# Altium PCB HV_DAC_8ch-DIOT.PCBDOC (part 6 of 11)
Units mm, origin at the board's own origin, x right, y up, seen from the top; angles counter-clockwise.
Board outline 222.63 x 100.1 mm, 8 copper layers (L1, L2, L3, P4, L5, L6, P7, L8), stack 1.563 mm thick; 971 components, 607 nets, 3066 pads, 1424 vias.
Unrouted connection lines stored in the file: 1.
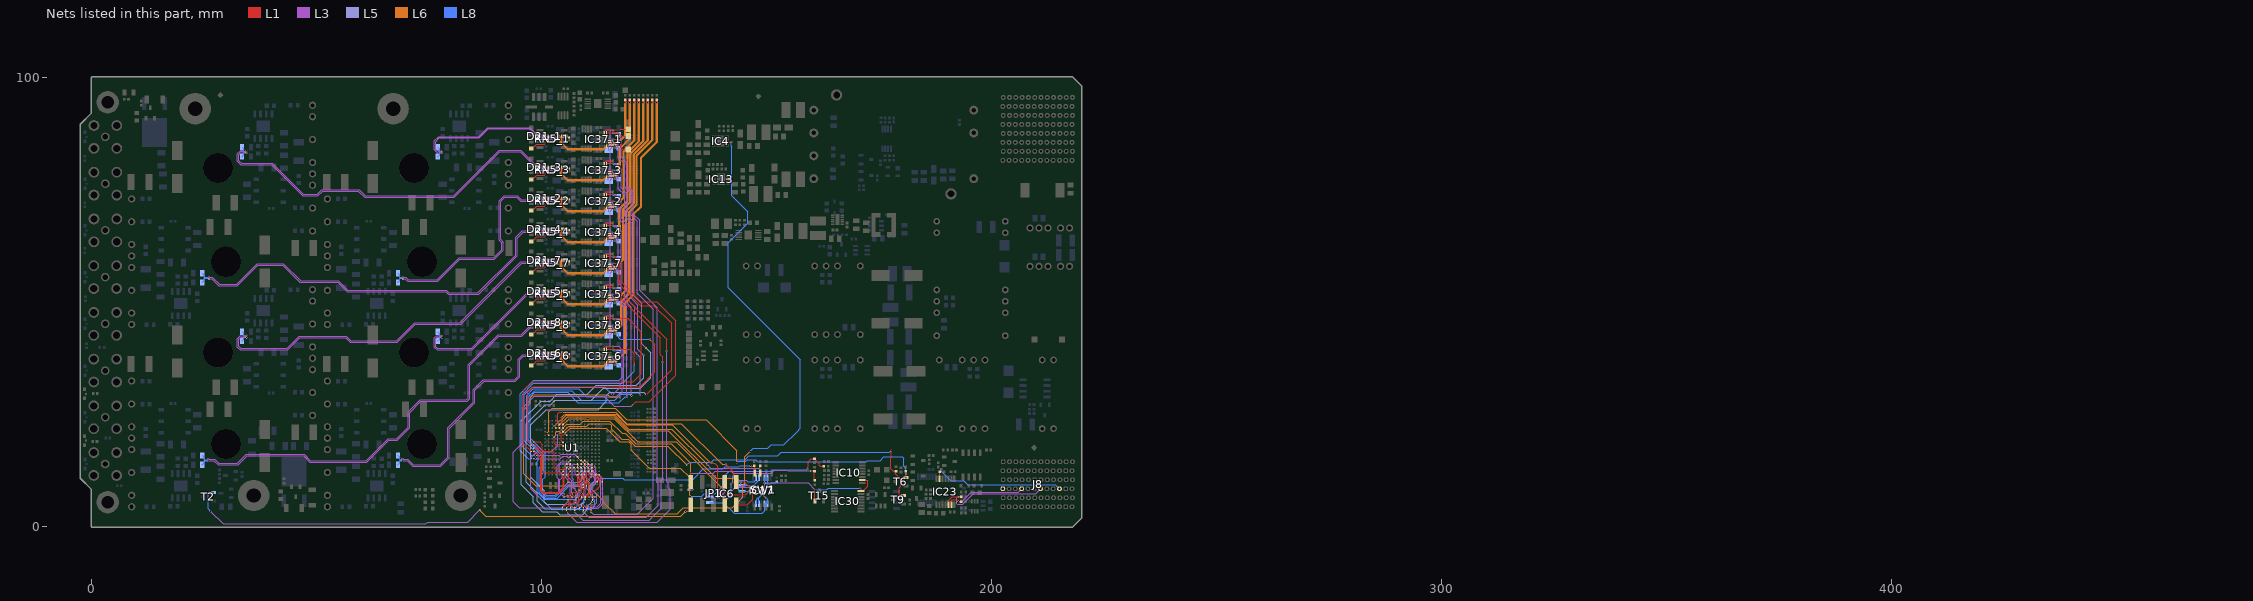
[diagram p12: the nets of this part, all layers, seen from the top]

## Via types
v1: diameter 0.4, hole 0.2, L1 to L8, tented both sides, 1016 vias
v2: diameter 0.8, hole 0.5, L1 to L8, tented both sides, 203 vias
v3: diameter 0.5, hole 0.2, L1 to L8, tented both sides, 117 vias
v4: diameter 0.7, hole 0.4, L1 to L8, tented both sides, 43 vias
v5: diameter 0.4, hole 0.2, L1 to L8, 32 vias
v6: diameter 0.5, hole 0.25, L1 to L8, 6 vias
v7: diameter 0.7, hole 0.4, L1 to L8, 5 vias
v8: diameter 1.2, hole 0.8, L1 to L8, tented both sides, 2 vias

## Nets (pads, with @x,y where several pads share a name; then routed paths per layer and width w, separated by ;. In a path a pad name is that pad's centre, name@x,y a point inside that pad or via, vN(x,y) a via of type N, cw(c..) or ccw(c..) an arc to the next point about the centre after c; other vN are vias at no path point) (continued)
DAC_MOSI1: C68_1.1 IC37_1.9 R69_1.2 TP18.1 | length 112.9
  L1 w0.127: R69_1.2@109.271,3.663 R69_1.2@109.283,3.651 ; v1(109.296,3.352) R69_1.2@109.296,3.758 ; IC37_1.9@114.435,87.693 v1(115.874,87.693) 117.007,87.693 117.8,86.9 TP18.1@119.3,86.9
  L3 w0.1: v1(109.296,3.352) 110.521,2.127 123.327,2.127 126,4.8 126,9.5 125.7,9.8 125.7,48.7 121.808,52.592 121.808,68.143 120.408,69.543 120.408,74.37 118.97,75.808 118.97,80.981 117.7,82.251 117.7,86.36 116.367,87.693 v1(115.874,87.693)
  L8 w0.127: v1(115.874,87.693) 116.163,87.403 C68_1.1@117.389,87.403
DAC_MOSI2: C68_2.1 IC37_2.9 R69_2.2 | length 114.8
  L1 w0.127: IC37_2.9@114.435,73.92 v1(115.874,73.92)
  L3 w0.1: v1(115.874,73.92) 116.367,73.92 117.7,72.587 117.7,68.782 119.1,67.382 119.1,50.6 120.7,49 120.7,38.9 121.9,37.7 v1(121.9,29.4)
  L8 w0.1: R69_2.2@111.1,11.225 111.1,11.175 111.025,11.1 110.975,11.1 108.875,9 106.1,9 103.527,6.427 100.71,6.427 99.5,7.637 99.5,13.2 100,13.7 100,16 96.7,19.3 96.7,29.2 98.2,30.7 108.3,30.7 110.1,28.9 116.6,28.9 117.527,29.827 121.473,29.827 v1(121.9,29.4)
  L8 w0.127: v1(115.874,73.92) 116.163,73.63 C68_2.1@117.389,73.63
DAC_MOSI3: C68_3.1 IC37_3.9 R69_3.2 | length 117.5
  L1 w0.127: v1(109.728,5.714) R69_3.2@109.728,6.12 ; IC37_3.9@114.435,80.807 v1(115.874,80.807)
  L3 w0.1: v1(115.874,80.807) 116.367,80.807 117.7,79.473 117.7,75.364 119.1,73.964 119.1,69.178 120.5,67.778 120.5,51.4 122.3,49.6 122.3,40.7 v1(123.2,39.8)
  L5 w0.1: v1(109.728,5.714) 109.319,5.305 109.115,5.305 108.894,5.084 108.894,4.594 108.5,4.2 108.051,4.2 107.851,4 100.7,4 99,5.7 99,7.5 96.6,9.9 96.6,23 100.8,27.2 102.042,27.2 103.042,28.2 111.1,28.2 113.7,30.8 121.9,30.8 124.3,33.2 124.3,38.7 v1(123.2,39.8)
  L8 w0.127: v1(115.874,80.807) 116.163,80.517 C68_3.1@117.389,80.517
DAC_MOSI4: C68_4.1 IC37_4.9 R69_4.2 | length 100
  L1 w0.127: IC37_4.9@114.435,67.033 v1(115.874,67.033)
  L3 w0.1: v1(115.874,67.033) 116.367,67.033 117.7,65.7 117.7,50.3 119,49 v1(119,29)
  L8 w0.1: R69_4.2@108.9,11.225 108.9,10.4 108.4,9.9 105.9,9.9 103,7 101.1,7 100.3,7.8 100.3,10.6 100.8,11.1 100.8,16.39 97.5,19.69 97.5,28.9 98.5,29.9 105.8,29.9 108.1,27.6 117.2,27.6 118.6,29 v1(119,29)
  L8 w0.127: v1(115.874,67.033) 116.163,66.743 C68_4.1@117.389,66.743
DAC_MOSI5: C68_5.1 IC37_5.9 R69_5.2 | length 83.5
  L1 w0.1: IC37_5.9@114.435,53.26 v1(115.874,53.26) 116.272,53.26 127.8,41.732 v1(127.8,39.1)
  L1 w0.127: v1(105.588,3.275) R69_5.2@105.588,3.682
  L3 w0.1: v1(105.588,3.275) 107.867,0.996 125.696,0.996 128.6,3.9 128.6,8.3 128.2,8.7 128.2,9.7 127.8,10.1 v1(127.8,39.1)
  L8 w0.127: v1(115.874,53.26) 116.163,52.97 C68_5.1@117.389,52.97
DAC_MOSI6: C68_6.1 IC37_6.9 R69_6.2 | length 53.5
  L1 w0.1: IC37_6.9@114.435,39.487 v1(115.874,39.487) 119.613,39.487 120.6,38.5 v1(120.6,36.1)
  L8 w0.1: R69_6.2@97.725,15.9 97.675,15.9 97.6,15.975 97.6,16.025 95.7,17.925 95.7,29.4 98.2,31.9 117.9,31.9 120.6,34.6 v1(120.6,36.1)
  L8 w0.127: v1(115.874,39.487) 116.163,39.197 C68_6.1@117.389,39.197
DAC_MOSI7: C68_7.1 IC37_7.9 R69_7.2 | length 112
  L1 w0.1: IC37_7.9@114.435,60.147 v1(115.874,60.147) 116.272,60.147 117.9,58.519 117.9,54.3 122.1,50.1 122.341,50.1 122.395,50.046 125.654,50.046 129.8,45.9 129.8,33.7 123.9,27.8 120.9,27.8 v1(120.4,27.3)
  L1 w0.127: v1(105.918,5.674) R69_7.2@105.918,6.081
  L3 w0.1: v1(105.918,5.674) 104.498,4.254 95.046,4.254 93.7,5.6 93.7,16.6 95.9,18.8 95.9,26.6 98.4,29.1 113.9,29.1 116.2,26.8 119.9,26.8 v1(120.4,27.3)
  L8 w0.127: v1(115.874,60.147) 116.163,59.857 C68_7.1@117.389,59.857
DAC_MOSI8: C68_8.1 IC37_8.9 R69_8.2 | length 61.8
  L1 w0.1: R69_8.2@97.725,16.8 97.675,16.8 97.6,16.875 97.6,16.925 96.1,18.425 96.1,30.4 98,32.3 120.4,32.3 122.2,34.1 122.2,43.3 119.126,46.374 v1(115.874,46.374) IC37_8.9@114.435,46.374
  L8 w0.127: v1(115.874,46.374) 116.163,46.084 C68_8.1@117.389,46.084
DAC_NSS1: C35_1.1 IC37_1.6 R66_1.2 TP15.1 | length 107.7
  L1 w0.127: v1(110.998,3.287) R66_1.2@110.998,3.693 ; IC37_1.6@115.264,85.941 115.505,85.941 115.733,86.169 v1(115.874,86.169) 116.631,86.169 117.6,85.2 117.6,84.4 118.1,83.9 TP15.1@119.3,83.9
  L3 w0.1: v1(110.998,3.287) 111.485,2.8 121.3,2.8 124.87,6.37 124.87,48.43 121.3,52 121.3,67.932 119.9,69.332 119.9,74.159 118.462,75.597 118.462,80.77 117.1,82.132 117.1,85.66 116.591,86.169 v1(115.874,86.169)
  L8 w0.127: v1(115.874,86.169) 115.874,85.769 116.182,85.461 116.182,85.181 116.749,84.614 116.982,84.381 C35_1.1@117.008,84.381
DAC_NSS2: C35_2.1 IC37_2.6 R66_2.2 | length 108.5
  L1 w0.127: IC37_2.6@115.264,72.167 115.505,72.167 115.733,72.396 v1(115.874,72.396)
  L3 w0.1: v1(115.874,72.396) 116.591,72.396 117.1,71.887 117.1,68.533 118.5,67.133 118.5,50.352 120,48.852 v1(120,29.2)
  L8 w0.1: R66_2.2@109.5,11.225 109.5,10.3 108.6,9.4 105.9,9.4 103.2,6.7 100.9,6.7 99.9,7.7 99.9,11.5 100.4,12 100.4,16.1 97.1,19.4 97.1,28.9 98.5,30.3 106.7,30.3 108.8,28.2 116.3,28.2 117.6,29.5 119.7,29.5 v1(120,29.2)
  L8 w0.127: v1(115.874,72.396) 115.874,71.996 116.182,71.688 116.182,71.408 116.749,70.841 116.982,70.607 C35_2.1@117.008,70.607
DAC_NSS3: C35_3.1 IC37_3.6 R66_3.2 | length 119.2
  L1 w0.127: v1(111.328,5.669) R66_3.2@111.328,6.075 ; IC37_3.6@115.264,79.054 115.505,79.054 115.733,79.283 v1(115.874,79.283)
  L3 w0.1: v1(115.874,79.283) 116.591,79.283 117.1,78.773 117.1,75.246 118.5,73.846 118.5,69.059 119.9,67.659 119.9,50.8 121.4,49.3 121.4,39.5 v1(122.7,38.2)
  L5 w0.1: v1(111.328,5.669) 110.964,5.305 110.943,5.305 110.435,4.796 110.435,4.235 109.707,3.507 109.707,3.229 109.178,2.7 107.653,2.7 107.625,2.671 104.449,2.671 104.447,2.673 104.106,2.673 103.387,3.392 100.208,3.392 98.2,5.4 98.2,6.7 95.5,9.4 95.5,23.6 99.9,28 101.9,28 103.4,29.5 110.2,29.5 112.2,31.5 121.037,31.5 122.7,33.163 v1(122.7,38.2)
  L8 w0.127: v1(115.874,79.283) 115.874,78.882 116.182,78.575 116.182,78.295 116.749,77.727 116.982,77.494 C35_3.1@117.008,77.494
DAC_NSS4: C35_4.1 IC37_4.6 R66_4.2 | length 94.6
  L1 w0.127: v1(109.28,8.408) R66_4.2@109.28,8.814 ; IC37_4.6@115.264,65.281 115.505,65.281 115.733,65.509 v1(115.874,65.509)
  L3 w0.1: v1(115.874,65.509) 116.591,65.509 117.1,65 117.1,50.179 118.3,48.979 118.3,31.2 117.9,30.8 117.9,29.9 117.5,29.5 v1(117.5,28.7)
  L6 w0.1: v1(109.28,8.408) 108.488,9.2 98.7,9.2 96.1,11.8 96.1,26.1 97.5,27.5 97.5,28.7 98.2,29.4 114.7,29.4 115.2,28.9 117.291,28.9 117.491,28.7 v1(117.5,28.7)
  L8 w0.127: v1(115.874,65.509) 115.874,65.109 116.182,64.801 116.182,64.521 116.749,63.954 116.982,63.721 C35_4.1@117.008,63.721
DAC_NSS5: C35_5.1 IC37_5.6 R66_5.2 | length 77.3
  L1 w0.1: IC37_5.6@115.264,51.508 115.505,51.508 115.733,51.736 v1(115.874,51.736) 116.737,51.736 126.4,42.073 126.4,38.3 126.9,37.8 v1(126.9,36.7)
  L1 w0.127: v1(107.386,3.287) R66_5.2@107.386,3.693
  L3 w0.1: v1(107.386,3.287) 109.172,1.5 123.9,1.5 126.6,4.2 126.6,10.4 126.977,10.777 126.977,11.923 126.9,12 v1(126.9,36.7)
  L8 w0.127: v1(115.874,51.736) 115.874,51.336 116.182,51.028 116.182,50.748 116.749,50.181 116.982,49.948 C35_5.1@117.008,49.948
DAC_NSS6: C35_6.1 IC37_6.6 R66_6.2 | length 46
  L1 w0.1: IC37_6.6@115.264,37.734 115.505,37.734 115.733,37.963 v1(115.874,37.963)
  L8 w0.1: R66_6.2@97.725,15.2 97.1,15.2 95.3,17 95.3,29.6 98.3,32.6 117.3,32.6 118,33.3 118,35.132 117.61,35.521 117.585,35.521 117.16,35.946 C35_6.1@117.16,35.971
  L8 w0.127: v1(115.874,37.963) 115.874,37.563 116.182,37.255 116.182,36.975 116.749,36.408 116.982,36.175 C35_6.1@117.008,36.175
DAC_NSS7: C35_7.1 IC37_7.6 R66_7.2 | length 98.3
  L1 w0.1: IC37_7.6@115.264,58.394 115.505,58.394 115.733,58.623 v1(115.874,58.623) 116.737,58.623 117.3,58.06 117.3,53.933 122.033,49.2 125,49.2 128.9,45.3 128.9,35 v1(123.3,29.4)
  L1 w0.127: v1(107.696,5.663) R66_7.2@107.696,6.069
  L5 w0.1: v1(107.696,5.663) 107.233,5.2 106.1,5.2 105.9,5 101.2,5 100.6,5.6 100.6,8 97.6,11 97.6,22.7 101,26.1 112.6,26.1 114.4,27.9 114.4,29.2 115.2,30 122.7,30 v1(123.3,29.4)
  L8 w0.127: v1(115.874,58.623) 115.874,58.223 116.182,57.915 116.182,57.635 116.749,57.068 116.982,56.834 C35_7.1@117.008,56.834
DAC_NSS8: C35_8.1 IC37_8.6 R66_8.2 | length 60.8
  L1 w0.1: R66_8.2@97.725,18.2 97.675,18.2 97.6,18.275 97.6,18.325 96.9,19.025 96.9,29.9 98.2,31.2 121.9,31.2 125.2,34.5 125.2,40.6 v1(124.1,41.7) ; IC37_8.6@115.264,44.621 115.505,44.621 115.733,44.85 v1(115.874,44.85)
  L8 w0.1: C35_8.1@117.16,42.858 117.16,42.04 117.5,41.7 v1(124.1,41.7)
  L8 w0.127: v1(115.874,44.85) 115.874,44.449 116.182,44.142 116.182,43.862 116.749,43.294 116.982,43.061 C35_8.1@117.008,43.061
DAC_OUT_N1: R67_1.2 R73_1.1 | length 34.1
  L3 w0.1: v1(77.924,83.637) 77.843,83.637 77.745,83.54 76.997,83.54 76.526,84.011 76.526,85.689 77.311,86.474 86.206,86.474 88.206,88.474 97.389,88.474 99.694,86.168 102.28,86.168 102.431,86.017 v3(102.539,86.017)
  L8 w0.1: R73_1.1@76.924,84.396 77.349,83.971 77.349,83.546 77.408,83.487 77.715,83.487 77.865,83.637 v1(77.924,83.637) ; v3(102.539,86.017) 103.074,86.017 R67_1.2@103.368,86.311
DAC_OUT_N2: R67_2.2 R73_2.1 | length 51.7
  L3 w0.1: v1(69.2,55.108) 69.281,55.108 69.379,55.206 69.636,55.206 70.255,54.586 76.937,54.586 81.832,59.481 89.532,59.481 91.519,61.468 91.519,63.332 90.929,63.921 90.929,72.41 91.806,73.286 94.494,73.286 95.386,72.395 102.28,72.395 102.431,72.244 v3(102.539,72.244)
  L8 w0.1: R73_2.1@68.076,54.35 68.501,54.775 68.501,55.2 68.56,55.258 68.795,55.258 69.072,55.258 v1@69.111,55.219 ; v3(102.539,72.244) 103.074,72.244 R67_2.2@103.368,72.538
DAC_OUT_N3: R67_3.2 R73_3.1 | length 86.9
  L3 w0.1: v1(34.424,83.637) 34.343,83.637 34.245,83.54 33.007,83.54 32.394,82.927 32.394,81.273 33.173,80.494 39.973,80.494 46.873,73.594 50.227,73.594 51.309,74.676 59.287,74.676 60.668,73.294 80.627,73.294 90.706,83.374 95.289,83.374 99.381,79.282 102.28,79.282 102.431,79.13 v3(102.539,79.13)
  L8 w0.1: R73_3.1@33.424,84.396 33.849,83.971 33.849,83.546 33.908,83.487 34.215,83.487 34.365,83.637 v1(34.424,83.637) ; v3(102.539,79.13) 103.074,79.13 R67_3.2@103.368,79.424
DAC_OUT_N4: R67_4.2 R73_4.1 | length 93
  L3 w0.1: v1(26.1,55.108) 26.181,55.108 26.279,55.206 26.675,55.206 28.284,53.597 32.347,53.597 36.937,58.186 42.494,58.186 46.299,54.381 54.699,54.381 56.799,52.281 78.699,52.281 79.291,51.689 86.009,51.689 94.619,60.299 94.619,64.221 95.906,65.508 102.28,65.508 102.431,65.357 v3(102.539,65.357)
  L8 w0.1: R73_4.1@24.576,54.35 25.001,54.775 25.001,55.2 25.06,55.258 25.453,55.258 25.891,55.258 26.041,55.108 v1(26.1,55.108) ; v3(102.539,65.357) 103.074,65.357 R67_4.2@103.368,65.651
DAC_OUT_N5: R67_5.2 R73_5.1 | length 38.4
  L3 w0.1: v1(77.924,42.637) 77.843,42.637 77.745,42.54 76.707,42.54 76.194,42.027 76.194,39.973 76.773,39.394 84.627,39.394 96.968,51.735 102.28,51.735 102.431,51.584 v3(102.539,51.584)
  L8 w0.1: R73_5.1@76.924,43.396 77.349,42.971 77.349,42.546 77.408,42.487 77.715,42.487 77.865,42.637 v1(77.924,42.637) ; v3(102.539,51.584) 103.074,51.584 R67_5.2@103.368,51.878
DAC_OUT_N6: R67_6.2 R73_6.1 | length 54.5
  L3 w0.1: v1(69.1,14.608) 69.181,14.608 69.279,14.706 70.166,14.706 71.38,13.492 77.624,13.492 79.506,15.373 79.506,21.868 85.206,27.568 85.206,30.368 87.211,32.374 94.174,32.374 95.2,33.4 95.2,37.2 95.962,37.962 102.28,37.962 102.431,37.811 v3(102.539,37.811)
  L8 w0.1: R73_6.1@68.076,13.85 68.501,14.275 68.501,14.7 68.56,14.758 68.891,14.758 69.041,14.608 v1(69.1,14.608) ; v3(102.539,37.811) 103.074,37.811 R67_6.2@103.368,38.105
DAC_OUT_N7: R67_7.2 R73_7.1 | length 86.1
  L3 w0.1: v1(34.424,42.637) 34.343,42.637 34.245,42.54 33.073,42.54 32.368,41.835 32.368,39.999 32.973,39.394 43.627,39.394 46.306,42.074 56.489,42.074 57.471,41.092 67.924,41.092 71.906,45.074 82.006,45.074 95.554,58.622 102.28,58.622 102.431,58.47 v3(102.539,58.47)
  L8 w0.1: R73_7.1@33.424,43.396 33.849,42.971 33.849,42.546 33.908,42.487 34.215,42.487 34.365,42.637 v1(34.424,42.637) ; v3(102.539,58.47) 103.074,58.47 R67_7.2@103.368,58.765
DAC_OUT_N8: R67_8.2 R73_8.1 | length 100.4
  L3 w0.1: v1(25.9,14.608) 25.981,14.608 26.079,14.706 27.175,14.706 28.099,13.781 32.532,13.781 34.537,15.786 47.094,15.786 48.499,14.381 61.151,14.381 66.07,19.3 67.97,19.3 70.732,22.062 70.732,25.432 73.2,27.9 83.446,27.9 84.019,28.473 84.019,35.899 90.506,42.386 95.637,42.386 98.099,44.849 102.28,44.849 102.431,44.697 v3(102.539,44.697)
  L8 w0.1: R73_8.1@24.576,13.85 25.001,14.275 25.001,14.7 25.06,14.758 25.353,14.758 25.691,14.758 25.841,14.608 v1(25.9,14.608) ; v3(102.539,44.697) 103.074,44.697 R67_8.2@103.368,44.992
DAC_OUT_P1: D21_1.3 R2_1.2 R58_1.1 | length 42.3
  L1 w0.1: R2_1.2@97.755,84.152 98.128,84.526 98.356,84.526 98.957,85.128 100.711,85.128 100.853,85.27 100.853,86.618 101.37,87.134 102.31,87.134 102.472,86.972 102.472,86.718 v3(102.539,86.652)
  L3 w0.1: v1(77.924,83.11) 77.843,83.11 77.745,83.208 76.86,83.208 76.194,83.873 76.194,85.827 77.173,86.806 86.068,86.806 88.068,88.806 97.527,88.806 99.832,86.5 102.28,86.5 102.431,86.652 v3(102.539,86.652)
  L8 w0.1: R58_1.1@76.924,82.352 77.349,82.777 77.349,83.202 77.408,83.26 77.715,83.26 77.865,83.11 v1(77.924,83.11) ; D21_1.3@101.742,86.819 101.91,86.652 v3(102.539,86.652)
DAC_OUT_P2: D21_2.3 R2_2.2 R58_2.1 | length 58.8
  L1 w0.1: R2_2.2@97.755,70.379 98.128,70.753 98.356,70.753 98.957,71.355 100.711,71.355 100.853,71.496 100.853,72.844 101.37,73.361 102.31,73.361 102.472,73.199 102.472,72.945 v3(102.539,72.879)
  L3 w0.1: v1(69.2,55.635) 69.281,55.635 69.379,55.538 69.773,55.538 70.393,54.919 76.799,54.919 81.694,59.814 89.394,59.814 91.186,61.606 91.186,63.194 90.597,63.784 90.597,72.547 91.668,73.619 94.632,73.619 95.523,72.727 102.28,72.727 102.431,72.879 v3(102.539,72.879)
  L8 w0.1: R58_2.1@68.076,56.394 68.501,55.969 68.501,55.544 68.56,55.485 68.701,55.485 69.072,55.485 v1@69.111,55.524 ; D21_2.3@101.742,73.046 101.91,72.879 v3(102.539,72.879)
DAC_OUT_P3: D21_3.3 R2_3.2 R58_3.1 | length 92.9
  L1 w0.1: R2_3.2@97.755,77.266 98.128,77.639 98.356,77.639 98.957,78.241 100.711,78.241 100.853,78.383 100.853,79.731 101.37,80.248 102.31,80.248 102.472,80.085 102.472,79.831 v3(102.539,79.765)
  L3 w0.1: v1(34.424,83.11) 34.343,83.11 34.245,83.208 33.145,83.208 32.726,82.789 32.726,81.411 33.311,80.826 40.111,80.826 47.011,73.926 50.089,73.926 51.171,75.008 59.424,75.008 60.806,73.626 80.489,73.626 90.568,83.706 95.427,83.706 99.519,79.614 102.28,79.614 102.431,79.765 v3(102.539,79.765)
  L8 w0.1: R58_3.1@33.424,82.352 33.849,82.777 33.849,83.202 33.908,83.26 34.215,83.26 34.365,83.11 v1(34.424,83.11) ; D21_3.3@101.742,79.932 101.91,79.765 v3(102.539,79.765)
DAC_OUT_P4: D21_4.3 R2_4.2 R58_4.1 | length 100.1
  L1 w0.1: R2_4.2@97.755,63.492 98.128,63.866 98.356,63.866 98.957,64.468 100.711,64.468 100.853,64.61 100.853,65.958 101.37,66.475 102.31,66.475 102.472,66.312 102.472,66.058 v3(102.539,65.992)
  L3 w0.1: v1(26.1,55.635) 26.181,55.635 26.279,55.538 26.813,55.538 28.421,53.929 32.21,53.929 36.799,58.519 42.632,58.519 46.437,54.714 54.837,54.714 56.937,52.614 78.837,52.614 79.429,52.022 85.871,52.022 94.286,60.437 94.286,64.359 95.768,65.841 102.28,65.841 102.431,65.992 v3(102.539,65.992)
  L8 w0.1: R58_4.1@24.576,56.394 25.001,55.969 25.001,55.544 25.06,55.485 25.359,55.485 25.891,55.485 26.041,55.635 v1(26.1,55.635) ; D21_4.3@101.742,66.159 101.91,65.992 v3(102.539,65.992)
DAC_OUT_P5: D21_5.3 R2_5.2 R58_5.1 | length 44.4
  L1 w0.1: R2_5.2@97.755,49.719 98.128,50.093 98.356,50.093 98.957,50.695 100.711,50.695 100.853,50.837 100.853,52.185 101.37,52.701 102.31,52.701 102.472,52.539 102.472,52.285 v3(102.539,52.219)
  L3 w0.1: v1(77.924,42.11) 77.843,42.11 77.745,42.208 76.845,42.208 76.526,41.889 76.526,40.111 76.911,39.726 84.489,39.726 96.83,52.067 102.28,52.067 102.431,52.219 v3(102.539,52.219)
  L8 w0.1: R58_5.1@76.924,41.352 77.349,41.777 77.349,42.202 77.408,42.26 77.715,42.26 77.865,42.11 v1(77.924,42.11) ; D21_5.3@101.742,52.386 101.91,52.219 v3(102.539,52.219)
DAC_OUT_P6: D21_6.3 R2_6.2 R58_6.1 | length 61.6
  L1 w0.1: R2_6.2@97.755,35.946 98.128,36.32 98.356,36.32 98.957,36.922 100.711,36.922 100.853,37.064 100.853,38.411 101.37,38.928 102.31,38.928 102.472,38.766 102.472,38.512 v3(102.539,38.446)
  L3 w0.1: v1(69.1,15.135) 69.181,15.135 69.279,15.038 70.304,15.038 71.518,13.824 77.487,13.824 79.174,15.511 79.174,22.006 84.874,27.706 84.874,30.506 87.073,32.706 94.036,32.706 94.868,33.538 94.868,37.338 95.824,38.294 102.28,38.294 102.431,38.446 v3(102.539,38.446)
  L8 w0.1: R58_6.1@68.076,15.894 68.501,15.469 68.501,15.044 68.56,14.985 68.891,14.985 69.041,15.135 v1(69.1,15.135) ; D21_6.3@101.742,38.613 101.91,38.446 v3(102.539,38.446)
DAC_OUT_P7: D21_7.3 R2_7.2 R58_7.1 | length 92.1
  L1 w0.1: R2_7.2@97.755,56.606 98.128,56.98 98.356,56.98 98.957,57.581 100.711,57.581 100.853,57.723 100.853,59.071 101.37,59.588 102.31,59.588 102.472,59.425 102.472,59.171 v3(102.539,59.105)
  L3 w0.1: v1(34.424,42.11) 34.343,42.11 34.245,42.208 33.211,42.208 32.7,41.697 32.7,40.137 33.111,39.726 43.489,39.726 46.168,42.406 56.627,42.406 57.609,41.424 67.787,41.424 71.768,45.406 81.868,45.406 95.417,58.954 102.28,58.954 102.431,59.105 v3(102.539,59.105)
  L8 w0.1: R58_7.1@33.424,41.352 33.849,41.777 33.849,42.202 33.908,42.26 34.215,42.26 34.365,42.11 v1(34.424,42.11) ; D21_7.3@101.742,59.273 101.91,59.105 v3(102.539,59.105)
DAC_OUT_P8: D21_8.3 R2_8.2 R58_8.1 | length 107.5
  L1 w0.1: R2_8.2@97.755,42.833 98.128,43.207 98.356,43.207 98.957,43.808 100.711,43.808 100.853,43.95 100.853,45.298 101.37,45.815 102.31,45.815 102.472,45.652 102.472,45.398 v3(102.539,45.332)
  L3 w0.1: v1(25.9,15.135) 25.981,15.135 26.079,15.038 27.313,15.038 28.237,14.114 32.394,14.114 34.399,16.119 47.232,16.119 48.637,14.714 61.014,14.714 65.932,19.632 67.832,19.632 70.4,22.2 70.4,25.57 73.062,28.232 83.308,28.232 83.686,28.611 83.686,36.037 90.368,42.719 95.499,42.719 97.961,45.181 102.28,45.181 102.431,45.332 v3(102.539,45.332)
  L8 w0.1: R58_8.1@24.576,15.894 25.001,15.469 25.001,15.044 25.06,14.985 25.259,14.985 25.691,14.985 25.841,15.135 v1(25.9,15.135) ; D21_8.3@101.742,45.5 101.91,45.332 v3(102.539,45.332)
DAC_REF_P5V1: C101_1.2 C138_1.1 IC37_1.4 IC37_1.5 R1.2 R297_1.2 RN5_1.3 | length 35.1
  L1 w0.127: v3(103.529,87.236) 103.885,86.88 RN5_1.3@105.053,86.88 ; RN5_1.3@105.053,86.906 105.197,86.762 105.942,86.762 R297_1.2@106.103,86.601
  L1 w0.254: IC37_1.4@114.435,84.668 114.435,84.616 114.456,84.594 115.633,84.594 115.932,84.894 116.011,84.894 C101_1.2@116.144,85.026 ; v1(114.827,85.047) 114.862,85.047 114.883,85.026 C101_1.2@116.144,85.026 ; IC37_1.5@115.185,85.418 115.194,85.409 C101_1.2@116.278,85.409 ; C101_1.2@116.347,85.23 C101_1.2@116.144,85.026
  L1 w0.508: v1(118.6,94.4) R1.2@118.6,95.01
  L6 w0.5: v3(103.529,87.236) 104.25,86.515 104.25,85.533 105.825,83.958 113.738,83.958 v1(114.827,85.047) 116.627,85.047 118.6,87.02 v1(118.6,94.4)
  L8 w0.127: v1(114.827,85.047) 114.849,85.025 114.849,84.77 114.934,84.685 C138_1.1@114.934,83.796
DAC_REF_P5V2: C101_2.2 C138_2.1 IC37_2.4 IC37_2.5 R272.2 R297_2.2 RN5_2.3 | length 49.5
  L1 w0.127: v3(103.529,73.463) 103.885,73.107 RN5_2.3@105.053,73.107 ; RN5_2.3@105.053,73.133 105.197,72.989 105.942,72.989 R297_2.2@106.103,72.828
  L1 w0.254: IC37_2.4@114.435,70.895 114.435,70.842 114.456,70.821 115.633,70.821 115.932,71.121 116.011,71.121 C101_2.2@116.144,71.253 ; v1(114.827,71.273) 114.862,71.273 114.883,71.253 C101_2.2@116.144,71.253 ; IC37_2.5@115.185,71.645 115.194,71.636 C101_2.2@116.278,71.636 ; C101_2.2@116.347,71.457 C101_2.2@116.144,71.253
  L1 w0.508: v1(120.6,94.4) R272.2@120.6,95.01
  L6 w0.5: v3(103.529,73.463) 104.25,72.742 104.25,71.76 105.825,70.185 113.738,70.185 v1(114.827,71.273) 116.3,71.273
  L6 w0.508: 116.3,71.273 118.2,73.173 118.2,83.5 120.6,85.9 v1(120.6,94.4)
  L8 w0.127: v1(114.827,71.273) 114.849,71.251 114.849,70.997 114.934,70.912 C138_2.1@114.934,70.023
DAC_REF_P5V3: C101_3.2 C138_3.1 IC37_3.4 IC37_3.5 R4.2 R297_3.2 RN5_3.3 | length 42.2
  L1 w0.127: v3(103.529,80.349) 103.885,79.994 RN5_3.3@105.053,79.994 ; RN5_3.3@105.053,80.019 105.197,79.876 105.942,79.876 R297_3.2@106.103,79.714
  L1 w0.254: IC37_3.4@114.435,77.781 114.435,77.729 114.456,77.708 115.633,77.708 115.932,78.007 116.011,78.007 C101_3.2@116.144,78.14 ; v1(114.827,78.16) 114.862,78.16 114.883,78.14 C101_3.2@116.144,78.14 ; IC37_3.5@115.185,78.531 115.194,78.522 C101_3.2@116.278,78.522 ; C101_3.2@116.347,78.343 C101_3.2@116.144,78.14
  L1 w0.508: v1(119.6,94.4) R4.2@119.6,95.01
  L6 w0.5: v3(103.529,80.349) 104.25,79.629 104.25,78.646 105.825,77.071 113.738,77.071 v1(114.827,78.16) 116.627,78.16
  L6 w0.508: 116.627,78.16 117.4,78.933 117.4,84.1 119.6,86.3 v1(119.6,94.4)
  L8 w0.127: C138_3.1@114.823,77.062 114.827,77.066 v1(114.827,78.16)
DAC_REF_P5V4: C101_4.2 C138_4.1 IC37_4.4 IC37_4.5 R5.2 R297_4.2 RN5_4.3 | length 56.6
  L1 w0.127: v3(103.529,66.576) 103.885,66.221 RN5_4.3@105.053,66.221 ; RN5_4.3@105.053,66.246 105.197,66.102 105.942,66.102 R297_4.2@106.103,65.941
  L1 w0.254: IC37_4.4@114.435,64.008 114.435,63.956 114.456,63.935 115.633,63.935 115.932,64.234 116.011,64.234 C101_4.2@116.144,64.366 ; v1(114.827,64.387) 114.862,64.387 114.883,64.366 C101_4.2@116.144,64.366 ; IC37_4.5@115.185,64.758 115.194,64.749 C101_4.2@116.278,64.749 ; C101_4.2@116.347,64.57 C101_4.2@116.144,64.366
  L1 w0.508: v1(121.6,94.4) R5.2@121.6,95.01
  L6 w0.5: v3(103.529,66.576) 104.25,65.855 104.25,64.873 105.825,63.298 113.738,63.298 v1(114.827,64.387) 116.3,64.387
  L6 w0.508: 116.3,64.387 117.3,65.387 117.3,70.7 119.1,72.5 119.1,83.2 121.6,85.7 v1(121.6,94.4)
  L8 w0.127: C138_4.1@114.823,63.289 114.827,63.293 v1(114.827,64.387)
DAC_REF_P5V5: C101_5.2 C138_5.1 IC37_5.4 IC37_5.5 R6.2 R297_5.2 RN5_5.3 | length 71.5
  L1 w0.127: v3(103.529,52.803) 103.885,52.447 RN5_5.3@105.053,52.447 ; RN5_5.3@105.053,52.473 105.197,52.329 105.942,52.329 R297_5.2@106.103,52.168
  L1 w0.254: IC37_5.4@114.435,50.235 114.435,50.183 114.456,50.161 115.633,50.161 115.932,50.461 116.011,50.461 C101_5.2@116.144,50.593 ; v1(114.827,50.614) 114.862,50.614 114.883,50.593 C101_5.2@116.144,50.593 ; IC37_5.5@115.185,50.985 115.194,50.976 C101_5.2@116.278,50.976 ; C101_5.2@116.347,50.797 C101_5.2@116.144,50.593
  L1 w0.508: v1(123.6,94.4) R6.2@123.6,95.01
  L6 w0.5: v3(103.529,52.803) 104.25,52.082 104.25,51.1 105.825,49.525 113.738,49.525 v1(114.827,50.614) 116.814,50.614 118.8,52.6 118.8,70.2 120.5,71.9 120.5,82.808 123.6,85.908 v1(123.6,94.4)
  L8 w0.127: C138_5.1@114.823,49.516 114.827,49.52 v1(114.827,50.614)
DAC_REF_P5V6: C101_6.2 C138_6.1 IC37_6.4 IC37_6.5 R10.2 R297_6.2 RN5_6.3 | length 86
  L1 w0.127: v3(103.529,39.03) 103.885,38.674 RN5_6.3@105.053,38.674 ; RN5_6.3@105.053,38.7 105.197,38.556 105.942,38.556 R297_6.2@106.103,38.395
  L1 w0.254: IC37_6.4@114.435,36.462 114.435,36.409 114.456,36.388 115.633,36.388 115.932,36.688 116.011,36.688 C101_6.2@116.144,36.82 ; v1(114.827,36.841) 114.862,36.841 114.883,36.82 C101_6.2@116.144,36.82 ; IC37_6.5@115.185,37.212 115.194,37.203 C101_6.2@116.278,37.203 ; C101_6.2@116.347,37.024 C101_6.2@116.144,36.82
  L1 w0.508: v1(125.6,94.4) R10.2@125.6,95.01
  L6 w0.5: v3(103.529,39.03) 104.25,38.309 104.25,37.327 105.825,35.752 113.738,35.752 v1(114.827,36.841) 116.627,36.841 118.5,38.713 118.5,49.7 120.4,51.6 120.4,69.5 122.1,71.2 122.1,82.1 125.6,85.6 v1(125.6,94.4)
  L8 w0.127: C138_6.1@114.823,35.743 114.827,35.746 v1(114.827,36.841)
DAC_REF_P5V7: C101_7.2 C138_7.1 IC37_7.4 IC37_7.5 R12.2 R297_7.2 RN5_7.3 | length 63.8
  L1 w0.127: v3(103.529,59.69) 103.885,59.334 RN5_7.3@105.053,59.334 ; RN5_7.3@105.053,59.359 105.197,59.216 105.942,59.216 R297_7.2@106.103,59.054
  L1 w0.254: IC37_7.4@114.435,57.121 114.435,57.069 114.456,57.048 115.633,57.048 115.932,57.348 116.011,57.348 C101_7.2@116.144,57.48 ; v1(114.827,57.5) 114.862,57.5 114.883,57.48 C101_7.2@116.144,57.48 ; IC37_7.5@115.185,57.871 115.194,57.863 C101_7.2@116.278,57.863 ; C101_7.2@116.347,57.684 C101_7.2@116.144,57.48
  L1 w0.508: v1(122.6,94.4) R12.2@122.6,95.01
  L6 w0.5: v3(103.529,59.69) 104.25,58.969 104.25,57.987 105.825,56.412 113.738,56.412 v1(114.827,57.5) 116.2,57.5
  L6 w0.508: 116.2,57.5 118.1,59.4 118.1,70.602 119.735,72.237 119.735,82.935 122.6,85.8 v1(122.6,94.4)
  L8 w0.127: C138_7.1@114.823,56.403 114.827,56.406 v1(114.827,57.5)
DAC_REF_P5V8: C101_8.2 C138_8.1 IC37_8.4 IC37_8.5 R14.2 R297_8.2 RN5_8.3 | length 78.7
  L1 w0.127: v3(103.529,45.916) 103.885,45.561 RN5_8.3@105.053,45.561 ; RN5_8.3@105.053,45.586 105.197,45.443 105.942,45.443 R297_8.2@106.103,45.281
  L1 w0.254: IC37_8.4@114.435,43.348 114.435,43.296 114.456,43.275 115.633,43.275 115.932,43.574 116.011,43.574 C101_8.2@116.144,43.707 ; v1(114.827,43.727) 114.862,43.727 114.883,43.707 C101_8.2@116.144,43.707 ; IC37_8.5@115.185,44.098 115.194,44.089 C101_8.2@116.278,44.089 ; C101_8.2@116.347,43.91 C101_8.2@116.144,43.707
  L1 w0.508: v1(124.6,94.4) R14.2@124.6,95.01
  L6 w0.5: v3(103.529,45.916) 104.25,45.196 104.25,44.213 105.825,42.638 113.738,42.638 v1(114.827,43.727) 116.627,43.727
  L6 w0.508: 116.627,43.727 117.7,44.8 117.7,50.1 119.5,51.9 119.5,70.008 121.131,71.639 121.131,82.546 124.6,86.015 v1(124.6,94.4)
  L8 w0.127: C138_8.1@114.823,42.629 114.827,42.633 v1(114.827,43.727)
DAC_SPI_CLK1: R65_1.1 U1.C3 | length 13
  L1 w0.127: v1(110.058,4.877) 110.084,4.851 R65_1.1@110.084,4.212 ; U1.C3@111.2,13.2 111.2,13.192 111.557,12.835 v1(111.557,12.827)
  L3 w0.1: v1(110.058,4.877) 110.435,4.5 112.4,4.5 113.2,5.3 113.2,10.4 111.557,12.043 v1(111.557,12.827)
DAC_SPI_CLK2: R65_2.1 U1.B3 | length 2.8
  L1 w0.1: U1.B3@111.2,12.4 111.247,12.353 111.247,12.153 111.623,11.777 111.623,11.444 112.4,10.667 R65_2.1@112.4,10.075
DAC_SPI_CLK3: R65_3.1 U1.D5 | length 9.4
  L1 w0.1: R65_3.1@110.592,6.619 110.592,6.669 110.667,6.744 110.717,6.744 111.372,7.4 v1(111.4,7.4)
  L1 w0.127: U1.D5@109.6,14 109.611,14 109.971,13.64 v1(109.982,13.64)
  L3 w0.1: v1(109.982,13.64) 110.392,13.229 110.392,12.208 111.8,10.8 111.8,10 110.744,8.944 110.744,8.056 v1(111.4,7.4)
DAC_SPI_CLK4: R65_4.1 U1.A5 | length 2.6
  L1 w0.1: U1.A5@109.6,11.6 109.652,11.548 109.652,10.231 109.938,9.945 109.938,9.584 110.025,9.497 R65_4.1@110.025,9.2
DAC_SPI_CLK5: R65_5.1 U1.C6 | length 11.9
  L1 w0.127: R65_5.1@106.426,4.216 R65_5.1@106.446,4.237 ; R65_5.1@106.451,4.232 106.451,4.282 106.553,4.383 v1(106.553,4.75) ; U1.C6@108.8,13.2 108.806,13.2 109.179,12.827 v1(109.185,12.827)
  L3 w0.1: v1(106.553,4.75) 106.903,4.4 107.7,4.4 107.9,4.6 107.9,5.1 108.2,5.4 108.2,5.7 109.7,7.2 109.7,10.2 109.185,10.715 v1(109.185,12.827)
DAC_SPI_CLK6: R65_6.1 U1.B9 | length 2.7
  L1 w0.1: R65_6.1@105.9,9.95 105.9,10.7 106,10.8 106,12 U1.B9@106.4,12.4
DAC_SPI_CLK7: R65_7.1 U1.D9 | length 8.3
  L1 w0.127: v1(106.02,13.614) 106.02,13.617 106.4,13.997 U1.D9@106.4,14 ; R65_7.1@106.832,6.731 R65_7.1@106.868,6.767 ; R65_7.1@106.868,6.768 107.009,6.908 107.009,7.111 v1(107.061,7.163)
  L3 w0.1: v1(106.02,13.614) 105.6,13.195 105.6,11.4 106.7,10.3 106.7,7.524 v1(107.061,7.163)
DAC_SPI_CLK8: R65_8.1 U1.A11 | length 18.6
  L1 w0.1: R65_8.1@98.275,17.5 98.8,17.5 100.1,16.2 100.1,8 100.4,7.7 103.7,7.7 104.8,8.8 U1.A11@104.8,11.6
DAC_SPI_CLRn: IC37_1.10 IC37_2.10 IC37_3.10 IC37_4.10 IC37_5.10 IC37_6.10 IC37_7.10 IC37_8.10 TP20.1 U1.A7 | length 148.9
  L1 w0.1: U1.A7@108,11.6 108,9.376 108.33,9.046 v1(108.33,8.2)
  L1 w0.127: IC37_6.10@113.935,39.462 113.935,39.693 114.364,40.122 v1(115.874,40.122) ; IC37_8.10@113.935,46.348 113.935,46.58 114.364,47.009 v1(115.874,47.009) ; IC37_5.10@113.935,53.235 113.935,53.466 114.364,53.895 v1(115.874,53.895) ; IC37_7.10@113.935,60.121 113.935,60.353 114.364,60.782 v1(115.874,60.782) ; IC37_4.10@113.935,67.008 113.935,67.24 114.364,67.668 v1(115.874,67.668) ; IC37_2.10@113.935,73.895 113.935,74.126 114.364,74.555 v1(115.874,74.555) ; IC37_3.10@113.935,80.781 113.935,81.013 114.364,81.442 v1(115.874,81.442) ; IC37_1.10@113.935,87.668 113.935,87.899 114.364,88.328 v1(115.874,88.328) 117.528,88.328 117.6,88.4 TP20.1@119.3,88.4
  L3 w0.1: v1(115.8,29.4) 117.5,31.1 117.5,31.7 118,32.2 118,39.3 117.178,40.122 v1(115.874,40.122) 115.458,40.122 115.3,40.28 115.3,42.68 115.6,42.98 115.6,44.08 115.3,44.38 115.3,46.85 115.458,47.009 ; v1(115.874,47.009) 115.458,47.009 ; v1(115.874,53.895) 115.458,53.895 ; v1(115.874,60.782) 115.458,60.782 ; v1(115.874,67.668) 115.458,67.668 ; v1(115.874,74.555) 115.458,74.555 ; v1(115.874,81.442) 115.458,81.442 ; v1(115.874,88.328) 115.458,88.328 115.3,88.17 115.3,85.7 115.6,85.4 115.6,84.3 115.3,84 115.3,81.6 115.458,81.442 ; 115.458,47.009 115.3,47.167 115.3,49.567 115.6,49.867 115.6,50.967 115.3,51.267 115.3,53.737 115.458,53.895 ; 115.458,53.895 115.3,54.054 115.3,56.454 115.6,56.754 115.6,57.854 115.3,58.154 115.3,60.623 115.458,60.782 ; 115.458,60.782 115.3,60.94 115.3,63.34 115.6,63.64 115.6,64.74 115.3,65.04 115.3,67.51 115.458,67.668 ; 115.458,67.668 115.3,67.827 115.3,70.227 115.6,70.527 115.6,71.627 115.3,71.927 115.3,74.397 115.458,74.555 ; 115.458,74.555 115.3,74.713 115.3,77.113 115.6,77.413 115.6,78.513 115.3,78.813 115.3,81.283 115.458,81.442
  L8 w0.1: v1(108.33,8.2) 108.33,7.013 107.518,6.2 100.6,6.2 99.1,7.7 99.1,13.3 98.9,13.5 98.9,14.4 99.3,14.8 99.3,16.1 96.2,19.2 96.2,29.4 97.9,31.1 114.1,31.1 v1(115.8,29.4)
DAC_SPI_LDACn1: R80_1.1 U1.D4 | length 11.8
  L1 w0.127: v1(108.433,4.902) 108.433,4.42 R80_1.1@108.483,4.369 ; U1.D4@110.4,14 110.4,13.992 110.769,13.623 v1(110.769,13.614)
  L8 w0.1: v1(108.433,4.902) 108.49,4.96 108.66,4.96 109.037,5.337 109.071,5.337 109.351,5.616 109.351,5.976 109.627,6.252 109.627,6.727 110.6,7.7 110.6,9.1 111.9,10.4 111.9,11.8 111.2,12.5 111.2,12.651 111.18,12.671 111.18,12.95 111.1,13.03 111.1,13.217 110.919,13.398 110.919,13.406 110.769,13.556 v1(110.769,13.614)
DAC_SPI_LDACn2: R80_2.1 U1.A1 | length 1.8
  L1 w0.1: U1.A1@112.8,11.6 113.5,10.9 R80_2.1@113.5,10.075
DAC_SPI_LDACn3: R80_3.1 U1.B5 | length 7.2
  L1 w0.1: R80_3.1@108.915,6.67 109.178,6.67 109.53,7.022 109.922,7.022 110.555,7.655 110.555,9.545 110.165,9.935 110.165,10.882 110.023,11.025 110.023,11.977 U1.B5@109.6,12.4
DAC_SPI_LDACn4: R80_4.1 U1.D7 | length 2.8
  L1 w0.127: U1.D7@108,14 108,13.998 108.382,13.616 v1(108.382,13.614)
  L8 w0.1: R80_4.1@108.3,11.775 108.3,11.825 108.375,11.9 108.425,11.9 108.8,12.275 108.8,13.196 v1(108.382,13.614)
DAC_SPI_LDACn5: R80_5.1 U1.B7 | length 11.1
  L1 w0.1: R80_5.1@104.761,4.369 105.492,5.1 106,5.1 106.4,5.5 106.4,7.2 106.9,7.7 108.382,7.7 108.721,8.039 108.721,9.014 108.39,9.345 108.39,12.01 U1.B7@108,12.4
DAC_SPI_LDACn6: R80_6.1 U1.C8 | length 7.1
  L1 w0.127: U1.C8@107.2,13.2 107.211,13.2 107.493,12.918 v1(107.503,12.918)
  L3 w0.1: v1(107.503,12.918) 107.503,11.697 108.875,10.325 v1(108.875,7.5)
  L8 w0.127: v1(108.875,7.5) 108.925,7.5 109.325,7.1 R80_6.1@109.325,7.05
DAC_SPI_LDACn7: R80_7.1 U1.C9 | length 12.1
  L1 w0.127: R80_7.1@105.029,6.731 v1(105.029,7.264) ; v1(106.07,12.878) 106.074,12.878 106.396,13.2 U1.C9@106.4,13.2
  L3 w0.1: v1(105.029,7.264) 104.1,8.193 104.1,10.5 104.559,10.959 104.559,11.641 103.9,12.3 103.9,13.679 104.297,14.076 106.126,14.076 106.397,13.805 106.397,13.204 v1(106.07,12.878)
DAC_SPI_LDACn8: R80_8.1 U1.C10 | length 12.7
  L1 w0.1: R80_8.1@98.275,18.9 99.6,18.9 100.2,18.3 100.2,17.2 100.6,16.8 102.533,16.8 102.777,16.556 102.777,13.09 103.044,12.823 105.223,12.823 U1.C10@105.6,13.2
DAC_SPI_NSS1: R66_1.1 U1.E5 | length 13.7
  L1 w0.127: U1.E5@109.6,14.8 109.617,14.8 109.965,14.453 v1(109.982,14.453) ; R66_1.1@110.998,4.243 110.998,4.293 111.1,4.395 v1(111.1,4.928)
  L3 w0.1: v1(109.982,14.453) 110.443,13.991 111.009,13.991 111.18,13.82 111.18,12.7 111.2,12.68 111.2,11.9 112.027,11.073 112.027,9.727 111.2,8.9 111.2,8.3 112.3,7.2 112.3,5.4 111.828,4.928 v1(111.1,4.928)
DAC_SPI_NSS2: R66_2.1 U1.C5 | length 1.8
  L1 w0.127: U1.C5@109.6,13.2 109.604,13.2 109.977,12.827 v1(109.982,12.827)
  L8 w0.1: R66_2.1@109.5,11.775 109.5,11.825 109.575,11.9 109.625,11.9 109.982,12.257 v1(109.982,12.827)
DAC_SPI_NSS3: R66_3.1 U1.E6 | length 10.2
  L1 w0.127: U1.E6@108.8,14.8 108.811,14.8 109.184,14.427 v1(109.195,14.427) ; R66_3.1@111.328,6.625 111.328,6.647 111.39,6.708 v1(111.887,6.708)
  L3 w0.1: v1(109.195,14.427) 109.6,14.022 109.6,11.29 110.1,10.79 110.1,8.533 110.517,8.116 110.517,7.75 111.559,6.708 v1(111.887,6.708)
DAC_SPI_NSS4: R66_4.1 U1.A6 | length 2.4
  L1 w0.1: U1.A6@108.8,11.6 108.8,9.894 109.28,9.414 R66_4.1@109.28,9.364
DAC_SPI_NSS5: R66_5.1 U1.C7 | length 13.4
  L1 w0.127: R66_5.1@107.386,4.243 107.391,4.249 v1(107.391,4.826) ; U1.C7@108,13.2 108.006,13.2 108.379,12.827 v1(108.385,12.827)
  L3 w0.1: v1(107.391,4.826) 107.385,4.832 107.385,5.115 107.3,5.2 107.3,5.9 108.1,6.7 108.1,7.6 107.514,8.186 107.514,8.36 107.1,8.775 107.1,10.5 106.8,10.8 106.8,13.7 107.1,14 107.8,14 108.005,13.795 108.005,13.207 v1(108.385,12.827)
DAC_SPI_NSS6: R66_6.1 U1.F9 | length 8.7
  L1 w0.127: v1(106.07,15.265) 106.07,15.268 106.4,15.598 U1.F9@106.4,15.6
  L3 w0.1: v1(98.7,15.2) 104.2,15.2 104.7,15.7 105.636,15.7 v1(106.07,15.265)
  L8 w0.1: R66_6.1@98.275,15.2 v1(98.7,15.2)
DAC_SPI_NSS7: R66_7.1 U1.D10 | length 10
  L1 w0.127: v1(105.232,13.665) 105.249,13.665 105.583,14 U1.D10@105.6,14 ; v1(107.645,7.239) 107.671,7.214 107.671,6.72 R66_7.1@107.696,6.694
  L3 w0.1: v1(105.232,13.665) 105.232,11.023 106.4,9.856 106.4,7 106.7,6.7 107.4,6.7 107.645,6.945 v1(107.645,7.239)
DAC_SPI_NSS8: R66_8.1 U1.B11 | length 11.7
  L1 w0.1: R66_8.1@98.275,18.2 98.7,18.2 100.327,16.573 100.327,12.34 100.667,12 104.4,12 U1.B11@104.8,12.4
DAC_SPI_SDI1: R69_1.1 U1.D3 | length 15.5
  L1 w0.127: v1(109.271,4.928) 109.296,4.902 R69_1.1@109.296,4.308 ; U1.D3@111.2,14 111.2,13.986 111.557,13.629 v1(111.557,13.614)
  L3 w0.1: v1(109.271,4.928) 109.998,4.2 112.6,4.2 113.6,5.2 113.6,10.6 112.1,12.1 112.1,13.071 v1(111.557,13.614)
DAC_SPI_SDI2: R69_2.1 U1.C4 | length 1.7
  L1 w0.127: U1.C4@110.4,13.2 110.4,13.198 110.769,12.829 v1(110.769,12.827)
  L8 w0.1: v1(110.769,12.827) 110.769,12.106 110.975,11.9 111.025,11.9 111.1,11.825 R69_2.1@111.1,11.775
DAC_SPI_SDI3: R69_3.1 U1.A2 | length 7.1
  L1 w0.1: R69_3.1@109.728,6.67 110.07,6.67 111.512,8.112 112.012,8.112 112.9,9 112.9,10.7 U1.A2@112,11.6
DAC_SPI_SDI4: R69_4.1 U1.D6 | length 2.9
  L1 w0.127: U1.D6@108.8,14 108.804,14 109.165,13.64 v1(109.169,13.64)
  L8 w0.1: R69_4.1@108.9,11.775 108.9,11.825 108.975,11.9 109,11.9 109.6,12.5 109.6,13.209 v1(109.169,13.64)
DAC_SPI_SDI5: R69_5.1 U1.B6 | length 11.3
  L1 w0.1: R69_5.1@105.588,4.232 105.588,4.282 105.663,4.357 105.713,4.357 106.176,4.82 106.176,4.906 106.556,5.286 108.086,5.286 108.3,5.5 108.3,6.636 108.773,7.11 109.037,7.11 109.368,7.441 109.368,7.963 109.657,8.251 109.657,9.537 109.454,9.741 109.454,10.108 109.223,10.339 109.223,11.977 U1.B6@108.8,12.4
DAC_SPI_SDI6: R69_6.1 U1.F7 | length 11.3
  L1 w0.127: U1.F7@108,15.573 U1.F7@108,15.6 v1(108.4,15.2)
  L3 w0.1: v1(98.7,15.9) 104.1,15.9 104.4,16.2 107.4,16.2 v1(108.4,15.2)
  L8 w0.1: R69_6.1@98.275,15.9 v1(98.7,15.9)
DAC_SPI_SDI7: R69_7.1 U1.E9 | length 12.6
  L1 w0.127: R69_7.1@105.918,6.655 105.931,6.667 105.931,7.201 v1(105.943,7.214) ; v1(106.07,14.453) 106.07,14.462 106.4,14.791 U1.E9@106.4,14.8
  L3 w0.1: v1(105.943,7.214) 105.53,6.8 104.8,6.8 103.8,7.8 103.8,10.6 103.5,10.9 103.5,13.6 104.353,14.453 v1(106.07,14.453)
DAC_SPI_SDI8: R69_8.1 U1.A10 | length 18.7
  L1 w0.1: R69_8.1@98.275,16.8 98.316,16.759 98.541,16.759 99.873,15.427 99.873,7.906 100.306,7.473 103.794,7.473 105.027,8.706 105.027,11.027 U1.A10@105.6,11.6
EEM0_SCL: R74.2 T6.2 U1.M15 | length 97.6
  L1 w0.127: v1(101.168,20.821) 101.173,20.821 101.595,20.4 U1.M15@101.6,20.4 ; R74.2@180.988,12.409 180.988,11.061 T6.2@181.028,11.022
  L6 w0.1: v1(101.168,20.821) 101.6,21.253 101.6,25.6 102.4,26.4 116.4,26.4 119,23.8 136.6,23.8 143.4,17 v1(143.4,14.3)
  L8 w0.1: v1(143.4,14.3) 143.74,14.64 145.44,14.64 145.8,15 147.6,15 148.096,14.504 162.219,14.504 162.226,14.511 166.982,14.511 166.989,14.504 172.165,14.504 172.419,14.757 175.257,14.757 176.1,15.6 180.2,15.6 180.504,15.296 180.504,13.496 181,13 v1(181,11.75)
EEM0_SDA: R78.2 T9.2 U1.J11 | length 98.6
  L1 w0.1: v1(102.8,20) 102.8,18.559 102.959,18.4 104.4,18.4 U1.J11@104.8,18
  L1 w0.127: v1(177.75,17) 177.75,15.75 177.6,15.6 177.6,13 178.192,12.408 R78.2@178.778,12.408 178.778,11.722 179.9,10.6 179.9,9.1 179.5,8.7 179.5,7.2 179.691,7.009 T9.2@180.469,7.009
  L6 w0.1: v1(102.8,20) 103.2,20.4 103.2,21.1 103.4,21.3 103.9,21.3 104.2,21 104.6,21 106,22.4 110,22.4 110.6,23 115.2,23 115.6,22.6 115.6,21.7 117.8,19.5 119.321,19.5 120.821,18 128.1,18 v1(132.3,13.8)
  L8 w0.1: v1(132.3,13.8) 132.9,14.4 137.7,14.4 138.3,15 145.3,15 146.1,15.8 152.5,15.8 153.3,16.6 177.35,16.6 v1(177.75,17)
En_AFE_PWR: IC4.3 IC13.3 R48.2 U1.B4 | length 142.1
  L1 w0.127: U1.B4@110.4,12.4 110.796,12.004 110.796,11.014 110.675,10.893 110.675,10.515 110.63,10.47 v1(110.63,10.125) ; IC4.3@141.3,85.575 v1(142.2,85.575) ; IC13.3@141.4,77.3 v1(142.3,77.3)
  L6 w0.1: v1(110.63,10.125) 110.63,8.97 113.75,5.85 113.75,5.5 116.35,2.9 130.15,2.9 131.5,4.25 142.35,4.25 144.7,6.6 144.7,9.2 145.2,9.7 145.2,15.6 v1(146.4,16.8)
  L8 w0.1: R48.2@141.67,77.3 v1(142.3,77.3) ; v1(142.2,85.575) 142.2,84.6 142.3,84.5 v1(142.3,77.3) ; v1(146.4,16.8) 147.1,17.5 150.3,17.5 151.1,18.3 153.9,18.3 156.8,21.2 157.5,21.9 157.5,37.2 141.5,53.2 141.5,63.2 145.8,67.5 145.8,70.1 142.3,73.6 v1(142.3,77.3)
FLASH_SCK: IC6.6 IC17.2 JP1.4 U1.R11 | length 65.9
  L1 w0.1: v1(104.471,24.412) 104.5,24.383 104.5,24 104.4,23.9 104.4,23.2 U1.R11@104.8,22.8
  L1 w0.127: v1(138.4,14.3) 138.4,14.289 139.2,13.489 139.2,8.497 140.77,6.927 ; JP1.4@140.77,4.929 140.77,6.927 ; v1(146.152,7.976) 145.39,7.214 141.057,7.214 140.77,6.927
  L6 w0.1: v1(104.471,24.412) 105.06,25 105.379,25 105.406,25.027 116.573,25.027 118.9,22.7 129.07,22.7 137.47,14.3 v1(138.4,14.3)
  L8 w0.127: v1(146.152,7.976) IC6.6@144.589,7.976 144.089,7.976 143.598,8.466 143.598,9.9 144.088,10.39 145.517,10.39 145.871,10.036 147.3,10.036 147.411,10.148 147.411,10.217 147.646,10.452 IC17.2@147.646,10.952
FLASH_SDI: IC6.5 IC17.3 JP1.2 U1.P12 | length 63.5
  L1 w0.127: v1(103.607,22.352) 103.627,22.352 103.979,22 U1.P12@104,22 ; JP1.2@143.31,4.929 143.362,4.98 145.78,4.98 146.977,6.177 146.977,8.116 145.092,10 v1(144.25,10)
  L6 w0.1: v1(103.607,22.352) 105.808,24.553 110.647,24.553 110.7,24.5 116.2,24.5 119.3,21.4 128.2,21.4 138.8,10.8 143.45,10.8 v1(144.25,10)
  L8 w0.127: v1(144.25,10) 144.25,9.38 144.384,9.246 IC6.5@144.589,9.246 144.639,9.296 147.21,9.296 148.061,10.148 148.061,10.217 148.296,10.452 IC17.3@148.296,10.952
FLASH_SDO: IC6.2 IC17.9 JP1.3 U1.P11 | length 62.6
  L1 w0.127: v1(104.415,22.4) 104.415,22.392 104.779,22.028 U1.P11@104.779,22 ; v1(140.729,8.103) 140.729,9.967 JP1.3@140.77,10.009
  L3 w0.1: v1(140.729,8.103) 142.403,8.103 143.1,8.8 147.535,8.8 v1(149.859,6.476)
  L6 w0.1: v1(104.415,22.4) 106.115,24.1 109.828,24.1 110.128,23.799 110.441,23.799 110.741,24.1 116.2,24.1 121.4,18.9 129.931,18.9 v1(140.729,8.103)
  L8 w0.127: IC6.2@137.389,6.706 137.574,6.521 139.576,6.521 140.729,7.673 v1(140.729,8.103) ; v1(149.859,6.476) 149.933,6.476 150.117,6.292 150.138,6.292 150.246,6.184 IC17.9@150.246,5.152
FLASH_SS: IC6.1 IC17.10 JP1.1 R204.1 U1.R12 | length 72.7
  L1 w0.1: U1.R12@104,22.8 103.6,23.2 103.6,25.2 103.9,25.5 v1(104.6,25.5)
  L1 w0.127: v1(141,13.9) 142.6,12.3 142.6,11.784 142.864,11.521 142.864,10.456 JP1.1@143.31,10.009 142.63,10.009 v1(142.195,9.575)
  L6 w0.1: v1(104.6,25.5) 116.5,25.5 119,23 131.1,23 140.123,13.977 140.356,13.977 140.433,13.9 v1(141,13.9)
  L8 w0.127: IC6.1@137.389,5.436 140.424,5.436 ; R204.1@142.761,11.125 142.534,10.899 142.534,9.914 v1(142.195,9.575) 142.195,7.207 140.424,5.436 ; IC17.10@149.596,5.152 149.596,3.596 149.05,3.05 142.81,3.05 140.424,5.436
FLASH_UP_EN: IC10.2 IC17.5 IC17.6 IC17.12 IC17.13 IC30.16 R60.1 T15.1 | length 42
  L1 w0.127: v1(160.757,8.28) 160.757,5.825 T15.1@160.823,5.759 ; v1(170.8,8.6) 171.043,8.357 171.043,8.019 IC30.16@171.047,8.015 171.572,8.015 172.568,9.011 172.568,10.266 172.405,10.429 IC10.2@171.289,10.429
  L3 w0.127: v1(149.596,9.779) 159.258,9.779 v1(160.757,8.28)
  L8 w0.127: IC17.13@147.646,5.152 147.807,5.313 147.807,6.183 148.116,6.491 148.296,6.491 ; IC17.12@148.296,5.152 148.296,6.491 ; IC17.5@149.596,10.952 v1(149.596,9.779) ; IC17.6@150.246,10.952 150.246,9.652 ; R60.1@152.273,10.046 152.047,9.819 151.22,9.819 151.052,9.652 150.246,9.652 ; v1(160.757,8.28) 163.38,8.28 163.7,8.6 v1(170.8,8.6) ; 148.296,6.491 149.596,7.791 v1(149.596,9.779) ; v1(149.596,9.779) 149.648,9.727 149.976,9.727 150.05,9.652 150.246,9.652
FPGA_CDONE: JP1.10 R39.2 R41.1 T2.1 U1.M10 | length 193.2
  L1 w0.127: v1(105.207,20.784) 105.211,20.784 105.579,20.416 U1.M10@105.579,20.4 ; v1(132.026,3.474) 132.704,3.474 132.704,3.5 133.15,3.947 JP1.10@133.15,4.929 133.151,4.93 133.151,6.813 v1(133.154,6.816) ; v1(159.134,12.884) 159.186,12.936 159.186,13.274 159.25,13.338 159.25,14.5 159.927,15.177 R39.2@160.655,15.177 R39.2@160.635,15.177 ; R39.2@160.622,15.164 161.763,14.023 161.763,13.698 161.992,13.469 162.749,13.469 R41.1@162.78,13.5
  L3 w0.1: v1(26.4,3.5) 29.2,0.7 74.3,0.7 74.7,1.1 83.6,1.1 v1(86.3,3.8)
  L6 w0.1: v1(105.207,20.784) 106.422,22 114.4,22 117.4,19 119.4,19 120,18.4 120,17.1 124,13.1 130.8,13.1 132.9,11 132.9,7.07 v1(133.154,6.816)
  L6 w0.127: v1(86.3,3.8) 86.3,3.726 86.399,3.627 86.399,3.601 87.6,2.4 130.952,2.4 v1(132.026,3.474)
  L8 w0.1: v1(26.4,3.5) 25.9,4 25.9,7.4 26.2,7.7 T2.1@27.1,7.7
  L8 w0.127: v1(133.154,6.816) 135.566,6.816 136.125,7.375 138.625,7.375 140.25,9 140.25,11 141.686,12.437 151.186,12.437 151.5,12.75 159,12.75 v1(159.134,12.884)
FPGA_CRESET: JP1.9 R42.2 R44.1 R46.2 U1.N11 | length 71.3
  L1 w0.127: v1@104.427,21.552 104.453,21.552 104.779,21.225 U1.N11@104.779,21.2 ; v1(133.121,11.963) 133.15,11.934 JP1.9@133.15,10.009 133.15,8.944 133.597,8.497 133.621,8.497 133.695,8.423 133.695,8.196 v1(133.731,8.161) ; v1(159.868,12.471) 160.541,12.471 R46.2@160.655,12.357 160.655,10.427 R44.1@160.731,10.351
  L3 w0.127: v1(133.121,11.963) 138.161,11.963 138.607,12.41 142.164,12.41 142.671,11.903 151.019,11.903 151.74,12.624 154.527,12.624 154.689,12.462 159.858,12.462 v1(159.868,12.471)
  L6 w0.1: v1(104.419,21.59) 105.629,22.8 108.6,22.8 109.3,23.5 115.2,23.5 117.9,20.8 118.6,20.8 120.9,18.5 128.8,18.5 133.121,14.179 v1(133.121,11.963)
  L8 w0.127: R42.2@132.766,8.268 133.55,8.268
FPGA_CSBSEL0: R47.2 SW1.8 U1.K11 | length 80.7
  L1 w0.1: v1(103.6,20.8) 104.3,20.8 104.4,20.7 104.4,19.9 104.4,19.2 U1.K11@104.8,18.8
  L1 w0.127: v1(146.443,13.627) 146.517,13.627 146.593,13.551 147.371,13.551 SW1.8@147.371,12.04
  L3 w0.1: v1(99.527,6.627) 99.473,6.627 97.6,8.5 97.6,15.4 98.9,16.7 102.2,16.7 103.6,18.1 v1(103.6,20.8)
  L8 w0.1: v1(99.527,6.627) 102.254,3.9 111,3.9 111.8,4.7 111.8,5.9 110.9,6.8 110.9,8.6 113.1,10.8 118.078,10.8 118.378,10.5 133.6,10.5 136,12.9 140.4,12.9 140.891,13.391 143.891,13.391 144.127,13.627 v1(146.443,13.627)
FPGA_CSBSEL1: R31.2 SW1.7 U1.P13 | length 53.8
  L1 w0.127: v1(102.789,22.377) 102.806,22.377 103.179,22.004 U1.P13@103.179,22 ; R31.2@148.615,13.652 148.514,13.551 v1(148.514,13.081) 148.514,12.167 SW1.7@148.641,12.04
  L3 w0.1: v1(136.8,13.9) 137.619,13.081 v1(148.514,13.081)
  L6 w0.1: v1(102.789,22.377) 104.111,23.7 104.4,23.7 105.5,24.8 116.3,24.8 119.4,21.7 129,21.7 v1(136.8,13.9)
GA0: IC23.6 J8.C3 R224.2 | length 30.7
  L1 w0.1: R224.2@188.53,12.3 188.53,12.32 188.77,12.56 188.79,12.56 188.868,12.638 188.868,12.868 v1(188.9,12.9)
  L1 w0.15: IC23.6@188.5,10.7 188.5,12.27 R224.2@188.53,12.3
  L8 w0.1: v1(188.9,12.9) 188.9,12.4 191,10.3 193.9,10.3 194.8,9.4 214.239,9.4 J8.C3@215.139,8.5
GA1: IC23.12 J8.F3 R222.2 | length 26.2
  L1 w0.1: IC23.12@190.45,4.9 190.45,5.85 191.3,6.7 R222.2@193.33,6.7
  L3 w0.1: v1(192.8,6.7) 192.5,6.7 192.3,6.5 192.3,5.2 192.5,5 193.6,5 196,7.4 209.839,7.4 J8.F3@210.939,8.5
GA2: IC23.13 J8.I3 R187.2 | length 18.7
  L1 w0.1: IC23.13@191.1,4.9 191.1,5.8 191.3,6 192.2,6 192.453,5.747 192.653,5.747 v1(192.7,5.7) 192.781,5.7 192.881,5.6 R187.2@193.33,5.6
  L3 w0.1: v1(192.7,5.7) 192.781,5.7 192.881,5.6 193.4,5.6 195.5,7.7 205.939,7.7 J8.I3@206.739,8.5
GA3: J8.L3